# Altium PCB PCB3.PcbDoc (continued)
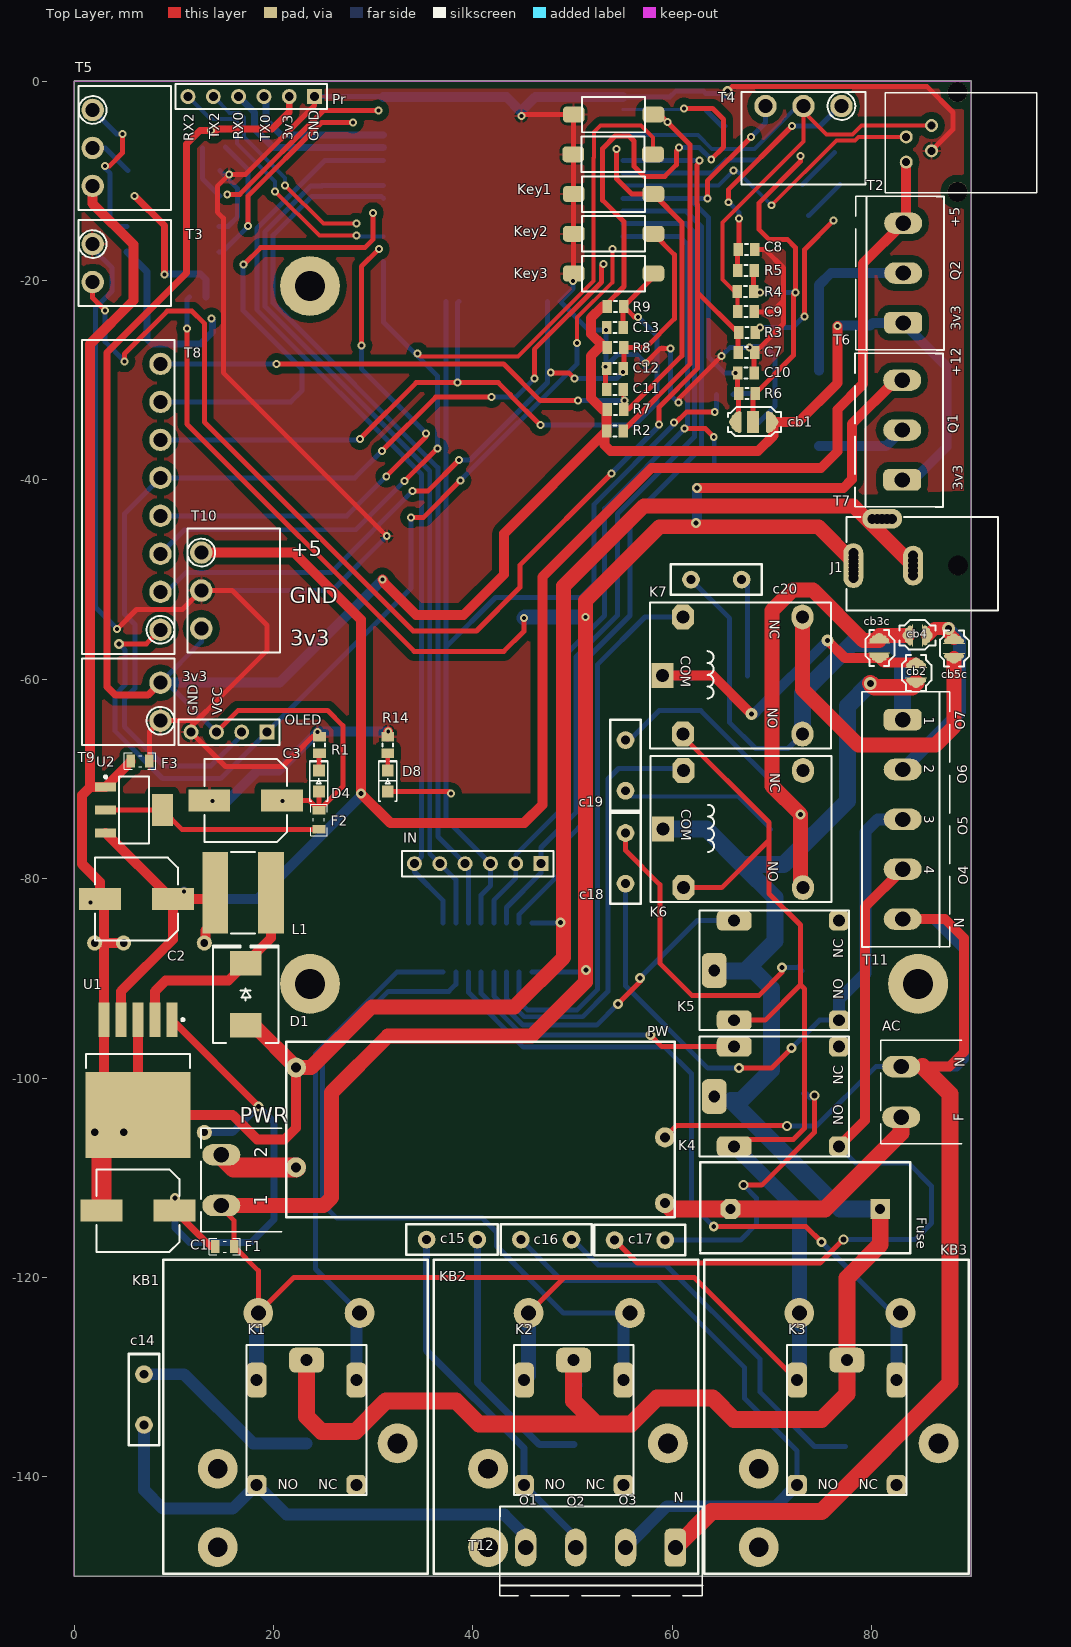
[diagram p0: Top Layer view]
## Footprints (in the part's own frame and the unit in brackets; to place one, negate y for a bottom-side part, rotate by r counter-clockwise, add the part's x,y. Pads: shape width x height; smd on the part's side, far side on the other; paste and mask are expansions set on the pad) (continued)
  oval 2x4.5 hole 1 mask+0.102: 1(14.5,0)
  oval 2x4 hole 1 mask+0.102: 2(8.5,0)
  oval 4x2 hole 1 mask+0.102: 3(11.6,-4.7)
  round 1.9 hole 2 mask+0.102: MH(4,0)
  silkscreen extent 0,-4.9 15.2,4.5, body extent 0,-4.9 15.2,4.5, height 11
"Relay milon" [mm] "18.85x15.35x15.70"
  rect 2.5x2.2 hole 1.3 mask+0.102: 1(0,-7.025)
  oval 2.5x2.2 hole 1.3 mask+0.102: 2(-5.875,7.025) 3(5.875,7.025)
  oct 2.5x2.2 hole 1.3 mask+0.102: 4(-5.875,-4.975) 5(5.875,-4.975)
  silkscreen extent -7.32,-8.27 7.32,9.87, body extent -7.37,-8.71 7.63,9.98, height 15.7
"Relay mini milon" [mm]
  rrect50% 3.5x2.5 hole 1.2 mask+0.102: 1(0,6.25)
  rrect50% 2x2 hole 1.2 mask+0.102: 2(5,-6.25) 3(-5,-6.25)
  rrect50% 2x3.5 hole 1.2 mask+0.102: 4(5,4.25) 5(-5,4.25)
  silkscreen extent -6,-7.25 6,7.75, body extent -6.13,-7.58 6.17,8.12, height 13.71
Relay-NT90 [mm]
  round 4 hole 2 unplated mask+0.102: 1(0,0) 2(18.034,10.414) 3(18.034,2.54)
  round 3 hole 1.5 mask+0.102: 4(3.81,-13.081) 5(13.97,-13.081)
  silkscreen extent -3.05,-18.42 23.5,13.08
"RES 0805 (2012X06L)"#1 [mm] "Chip Resistor, 2-Leads, Body 2.0x1.3mm, IPC High Density _ (0.100 W)"
  rect 0.95x1.3 smd: 1(0,0) 2(1.65,0)
  silkscreen extent 0.67,-0.55 0.97,0.55, body extent -0.19,-0.63 1.84,0.64, height 0.6
"RES 0805 (2012X06L)"#2 [mm] "Chip Resistor, 2-Leads, Body 2.0x1.3mm, IPC High Density _ (0.100 W)"
  rect 0.95x1.3 smd mask+0.102: 1(0,0) 2(1.65,0)
  silkscreen extent 0.67,-0.55 0.97,0.55, body extent -0.19,-0.63 1.84,0.64, height 0.6
"RES 2512 (6331X07L)" [mm] "Chip Resistor, 2-Leads, Body 6.3x3.1mm, IPC High Density _ (0.500 W)"
  rect 1.1x3.2 smd mask+0.102: 1(-2.85,0) 2(2.85,0)
  silkscreen extent -1.9,-1.5 1.9,1.5, body extent -3.18,-1.52 3.17,1.52, height 0.6
RJ10 [mm]
  round 1.308 hole 0.8 mask+0.102: 1(-0.445,-1.27) 2(2.095,-0.127) 3(-0.445,1.27) 4(2.095,2.413)
  round 2 hole 2 unplated mask+0.102: ""(4.699,-4.238) ""(4.699,5.762)
  silkscreen extent -2.54,-4.32 12.64,5.71
SMD_CAP_0805#1 [mm]
  rect 0.95x1.3 smd: 1(0,0) 2(1.65,0)
  silkscreen extent 0.67,-0.55 0.97,0.55, body extent -0.19,-0.64 1.84,0.64, height 0.65
SMD_CAP_0805#2 [mm]
  rect 0.95x1.3 smd mask+0.102: 1(0,0) 2(1.65,0)
  silkscreen extent 0.67,-0.55 0.97,0.55, body extent -0.19,-0.64 1.84,0.63, height 0.65
"SMT Gullwing Lead-Form"#1 [mm] "SOP, 4-Leads, Body 4/65x6/75mm, Pitch 2/54mm, IPC Medium Density designer:abbas basereh"
  rrect50% 2.2x1.6 smd mask+0.102: 1(-4.6,1.27) 2(-4.6,-1.27) 3(4.6,-1.27) 4(4.6,1.27)
  silkscreen extent -4.72,-2.5 3.1,2.74, body extent -5,-2.29 5,2.29, height 3.89
"SMT Gullwing Lead-Form"#2 [mm] "SOP, 4-Leads, Body 4/65x6/75mm, Pitch 2/54mm, IPC Medium Density designer:abbas basereh"
  rrect50% 2.2x1.6 smd mask+0.06: 1(-4.6,1.27) 2(-4.6,-1.27) 3(4.6,-1.27) 4(4.6,1.27)
  silkscreen extent -4.72,-2.5 3.1,2.74, body extent -5,-2.29 5,2.29, height 3.89
SO16_M [mm] "16-Pin Small Outline Integrated Circuit 1.27 mm Pitch, IPC Low Density - DESIGNER ABBAS BASEREH"
  oval 2.5x0.7 smd: 1(2.45,-4.445) 2(2.45,-3.175) 3(2.45,-1.905) 4(2.45,-0.635) 5(2.45,0.635) 6(2.45,1.905) 7(2.45,3.175) 8(2.45,4.445) 9(-2.45,4.445) 10(-2.45,3.175) 11(-2.45,1.905) 12(-2.45,0.635) 13(-2.45,-0.635) 14(-2.45,-1.905) 15(-2.45,-3.175) 16(-2.45,-4.445)
  silkscreen extent -0.8,-5.47 2.57,5, body extent -3,-4.96 3,4.97, height 1.62
"SOD-80 MiniMELF" [mm] "Molded Diode, 2-Leads, Body 3.40x1.50mm, IPC Medium Density"
  rect 1.25x2 smd mask+0.102: 1(-1.875,0) 2(1.875,0)
  silkscreen extent -2.8,-1.3 2.99,1.3, body extent -1.7,-0.75 1.7,0.75, height 1.5
SOT223-AMS1117 [mm] "SOT223, 4-Leads, Body 6.5x3.5mm, Pitch 2.3mm, Lead Span 7mm, IPC High Density"
  rect 2.1x0.9 smd: 1(-2.85,2.3) 2(-2.85,0) 3(-2.85,-2.3)
  rect 2.1x3.2 smd: 4(2.85,0)
  silkscreen extent -2.97,-3.35 1.5,3.42, body extent -3.49,-3.24 3.49,3.24, height 1.64
"ST DO214AA SMB" [mm] "Molded Diode, 2-Leads, Body 4.31x3.62mm, IPC Medium Density"
  rect 1.62x2.18 smd: 1(-2.11,0) 2(2.11,0)
  silkscreen extent -3.2,-2.2 3.4,2.1, body extent -2.6,-1.8 2.6,1.8, height 2.4
"TE FSMSMTR" [mm]
  rrect50% 1.6x2.19 smd mask+0.102: 1(0,4) 2(0,-4)
  silkscreen extent -1.78,-3.18 1.78,3.18, body extent -1.75,-4.98 1.75,4.98, height 4.42
TO-252 [mm] "D-PAK/TO-252-AA; 3 Leads (1 Cropped); Body 10.1 (inc. leads) x 6.6 mm (LxW max)"
  rect 1x2.1 smd mask+0.102: 1(2.285,3.375) 3(-2.285,3.375)
  rect 5.4x6.2 smd mask+0.102: 2(0,-3.375)
  silkscreen extent -3.09,-6.38 3.08,4.32, body extent -3.27,-5.83 3.27,4.11, height 2.39
TS5B_M [mm] "D2-PAK, 6-Leads, Body 8.6x10.2mm, Pitch 1.7mm, Lead Span 14.1mm, IPC Low Density"
  rect 3.5x1.1 smd mask+0.102: 1(-6.05,3.4) 2(-6.05,1.7) 3(-6.05,0) 4(-6.05,-1.7) 5(-6.05,-3.4)
  rect 8.6x10.5 smd mask+0.102: 6(3.5,0)
  silkscreen extent -6.17,-5.2 -1.2,5.2, body extent -2.6,-5.2 6.29,5.2, height 4.65

## Part data
AC PWR: library part CON_Phoenix_MSTB_02, "2 Pitch: 5.08 mm Color: green Contact surface: Tin Assembly", Manufacturer="PHOENIX CONTACT", Max Current="12 A", Voltage="320 V", Category=Connector, ComponentLink1Description="Header, Nominal current: 12 A Rated voltage (III/2): 320 V Number of positions: 2 Pitch: 5.08 mm Color: green Contact surface: Tin Assembly: Soldering  DESIGNER:ABBAS BASEREH", ComponentLink2Description=Reference, Connector type="PCB Terminal Block", Designer="ABBAS BASEREH", Mounting Technology=Through-Hole, PART.NO=PHOENIX, Pin Count=2, Positions=2, Revision 1=2017-3-1, Status=Unreleased
C1 C2 C3 C6: library part "Cap Polar", "Cap Polar"
C4 C5 C7 C8 C9 C10 C11 C12 C13 c14 c15 c16 c17 c18 c19 c20: library part Cap-Bipolar, "Bipolar Capacitor", Voltage=100V, Adding Date=1387/12/20, Designer="Saeid Jorablo", Organazation=ControTec
cb1: library part "Coffe Bean 2", "Coffe Bean 2w"
cb2 cb3c cb4 cb5c: library part "Coffe Bean", "Coffe Bean"
D1 D5 D6 D7: library part Diode, "Rectifier Diode"
D2 D3: library part "Diode TVS", "Zener Diode"
D4 D8: library part LED, "Chip LED"
F1 F2 F3: library part "Ferrite Bead SMD Package", Designer="Ali Hafizi"
FLASH Key1 Key2 Key3 RST: "Push Button Switch"
Fuse: library part "Fuse 5x20 with holdeer pins", "Fuses 5x20", Data=28-12-2016, Desc.="fuse with holder pins 5x20", Designer="Abbas Basereh"
IN Pr: "Header, 6-Pin", LatestRevisionDate=17-Jul-2002, LatestRevisionNote="Re-released for DXP Platform.", Publisher="Altium Limited"
K1 K2 K3 K4 K5 K6 K7 KB1 KB2 KB3: "SPDT Relay", Company=E.P.I.L, Design_Date=2011/10/31, Designer="Eng. Saeid Jorablo"
L1: library part "Inductor smd", "SMD Power Inductor WE-LHMI, L=6.8 µH", Inductance="6.8 µH", PartNumber=74437324068, ComponentLink1Description="Manufacturer URL", ComponentLink1URL=http://www.we-online.com, ComponentLink2Description=Datasheet, ComponentLink2URL=http://katalog.we-online.de/kataloge/eisos/media/pdf/74437324068.pdf, PackageReference="WE-LHMI 4020"
OLED: "Header, 4-Pin", LatestRevisionDate=17-Jul-2002, LatestRevisionNote="Re-released for DXP Platform.", Publisher="Altium Limited"
PW: "x.x Volt, 800mA Low-Dropout Linear Regulator, 4-pin SOT-223", Manufacturer="National Semiconductor", PackageTopMarking=XYTT*N05B, PartNumber=LM1117IMP-3.3, PowerWise=N, Supplier Part Number 1=7614123, Code_IPC=SOT223-4, Code_JEDEC=TO-261-AA, ComponentLink1Description="LM1117 Datasheet", ComponentLink1URL=http://www.national.com/ds/LM/LM1117.pdf, ComponentLink2Description="LM1117 Web Page", ComponentLink2URL=http://www.national.com/pf/LM/LM1117.html, ComponentLink3Description="MP04A Package Page", ComponentLink3URL=http://www.national.com/packaging/folders/mp04a.html, CompType="LDO IC", DatasheetVersion=Apr-2006, PackageDescription="Molded SOT-223, 6.50 x 3.56 x 1.6mm Body, 4 Lead, 2.3mm Pitch", PackageReference=MP04A, PackageVersion="revB, Apr-2003", PinCount=4, Published=4-Dec-2008, Publisher="Altium Limited", RoHS=N, Supplier 1=Farnell
Q1 Q2: library part NPN, "NPN Transistor", Company="IPA CO", Designer="Saeid Jorablo", Last Update Time=2008/08/04
R1 R2 R3 R4 R5 R6 R7 R8 R9 R10 R11 R12 R13 R14 R15 R16 R17 R18 R19 R20 R21 R22 R23: library part Resistor, "Resistor"
T2: "6 Position 1 Port Right Angle RJ11 Low Profile Filtered EMI/RFI Modular Jack", Package=None, Availability=Unavailable, MF="TE Connectivity", MP=RJ11-6N-B, Price=None, SnapEDA_Link=https://www.snapeda.com/parts/RJ11-6N-B/TE%20Connectivity%20Corcom%20Filters/view-part/2771781/?ref=snap, TE_purchase_URL=https://www.te.com/usa-en/product-6609212-4.html?te_bu=Cor&te_type=disp&te_campaign=seda_glo_cor-seda-global-disp-prtnr-fy19-seda-model-bom-cta_sma-317_1&elqCampaignId=32493
T3 T4 T5 T10: "6 Pitch: 5.08 mm Color: green Contact surface: Tin Assembly", Manufacturer="PHOENIX CONTACT", Max Current="12 A", Voltage="320 V", Category=Connector, ComponentLink1Description="Header, Nominal current: 12 A Rated voltage (III/2): 320 V Number of positions: 6 Pitch: 5.08 mm Color: green Contact surface: Tin Assembly: Soldering  DESIGNER:ABBAS BASEREH", ComponentLink2Description=Reference, Connector type="PCB Terminal Block", Designer="ABBAS BASEREH", Mounting Technology=Through-Hole, PART.NO=PHOENIX, Pin Count=6, Positions=6, Revision 1=2017-3-1, Status=Unreleased
T6 T7: library part FCI-381-3P, "6 Pitch: 5.08 mm Color: green Contact surface: Tin Assembly", Manufacturer="PHOENIX CONTACT", Max Current="12 A", Voltage="320 V", Category=Connector, ComponentLink1Description="Header, Nominal current: 12 A Rated voltage (III/2): 320 V Number of positions: 6 Pitch: 5.08 mm Color: green Contact surface: Tin Assembly: Soldering  DESIGNER:ABBAS BASEREH", ComponentLink2Description=Reference, Connector type="PCB Terminal Block", Designer="ABBAS BASEREH", Mounting Technology=Through-Hole, PART.NO=PHOENIX, Pin Count=6, Positions=6, Revision 1=2017-3-1, Status=Unreleased
T8: library part FCI-381-8P, "6 Pitch: 5.08 mm Color: green Contact surface: Tin Assembly", Manufacturer="PHOENIX CONTACT", Max Current="12 A", Voltage="320 V", Category=Connector, ComponentLink1Description="Header, Nominal current: 12 A Rated voltage (III/2): 320 V Number of positions: 6 Pitch: 5.08 mm Color: green Contact surface: Tin Assembly: Soldering  DESIGNER:ABBAS BASEREH", ComponentLink2Description=Reference, Connector type="PCB Terminal Block", Designer="ABBAS BASEREH", Mounting Technology=Through-Hole, PART.NO=PHOENIX, Pin Count=6, Positions=6, Revision 1=2017-3-1, Status=Unreleased
T9: library part FCI-381-2P, "6 Pitch: 5.08 mm Color: green Contact surface: Tin Assembly", Manufacturer="PHOENIX CONTACT", Max Current="12 A", Voltage="320 V", Category=Connector, ComponentLink1Description="Header, Nominal current: 12 A Rated voltage (III/2): 320 V Number of positions: 6 Pitch: 5.08 mm Color: green Contact surface: Tin Assembly: Soldering  DESIGNER:ABBAS BASEREH", ComponentLink2Description=Reference, Connector type="PCB Terminal Block", Designer="ABBAS BASEREH", Mounting Technology=Through-Hole, PART.NO=PHOENIX, Pin Count=6, Positions=6, Revision 1=2017-3-1, Status=Unreleased
T11: "5 Pitch: 5 mm Color: green Contact surface: Tin Assembly", Manufacturer="PHOENIX CONTACT", Max Current="12 A", Voltage="320 V", Category=Connector, ComponentLink1Description="Header, Nominal current: 12 A Rated voltage (III/2): 320 V Number of positions: 5 Pitch: 5 mm Color: green Contact surface: Tin Assembly: Soldering  DESIGNER:ABBAS BASEREH", ComponentLink2Description=Reference, Connector type="PCB Terminal Block", Designer="ABBAS BASEREH", Mounting Technology=Through-Hole, PART.NO=PHOENIX, Pin Count=5, Positions=5, Revision 1=2017-3-1, Status=Unreleased
T12: "4 Pitch: 5 mm Color: green Contact surface: Tin Assembly", Manufacturer="PHOENIX CONTACT", Max Current="12 A", Voltage="320 V", Category=Connector, ComponentLink1Description="Header, Nominal current: 12 A Rated voltage (III/2): 320 V Number of positions: 4 Pitch: 5 mm Color: green Contact surface: Tin Assembly: Soldering  DESIGNER:ABBAS BASEREH", ComponentLink2Description=Reference, Connector type="PCB Terminal Block", Designer="ABBAS BASEREH", Mounting Technology=Through-Hole, PART.NO=PHOENIX, Pin Count=4, Positions=4, Revision 1=2017-3-1, Status=Unreleased
U1: "SIMPLE SWITCHER® Power Converter 150 KHz 3A Step-Down Voltage Regulator, 5-pin TO-263", Manufacturer="National Semiconductor", PackageTopMarking="NSUZXYTTE#*LM2596S*-ADJ P+", PowerWise=N, Code_JEDEC=MO-169-AB, ComponentLink1Description="Manufacturer URL", ComponentLink1URL=http://www.national.com/, ComponentLink2Description="LM2596 Datasheet", ComponentLink2URL=http://www.national.com/ds/LM/LM2596.pdf, ComponentLink3Description="LM2596 Web Page", ComponentLink3URL=http://www.national.com/pf/LM/LM2596.html, ComponentLink4Description="TS5B Package Page", ComponentLink4URL=http://www.national.com/packaging/folders/ts5b.html, CompType=Switcher, DatasheetVersion=May-2002, High-Reliability=Y, PackageDescription="TO-263, Molded, .400 x .390 x .180in, 5 Lead, .067in Pitch, Surface Mount", PackageReference=TS5B, PackageVersion="revD, Apr-2005", PartNumber=LM2596S-ADJ, PinCount=5, RoHS=N
U2: library part AMS1117IMP-x.x_1, "x.x Volt, 800mA Low-Dropout Linear Regulator, 4-pin SOT-223", Manufacturer="National Semiconductor", PackageTopMarking=XYTT*N05B, PartNumber=LM1117IMP-3.3, PowerWise=N, Supplier Part Number 1=7614123, Code_IPC=SOT223-4, Code_JEDEC=TO-261-AA, ComponentLink1Description="LM1117 Datasheet", ComponentLink1URL=http://www.national.com/ds/LM/LM1117.pdf, ComponentLink2Description="LM1117 Web Page", ComponentLink2URL=http://www.national.com/pf/LM/LM1117.html, ComponentLink3Description="MP04A Package Page", ComponentLink3URL=http://www.national.com/packaging/folders/mp04a.html, CompType="LDO IC", DatasheetVersion=Apr-2006, PackageDescription="Molded SOT-223, 6.50 x 3.56 x 1.6mm Body, 4 Lead, 2.3mm Pitch", PackageReference=MP04A, PackageVersion="revB, Apr-2003", PinCount=4, Published=4-Dec-2008, Publisher="Altium Limited", RoHS=N, Supplier 1=Farnell
U3: "IC: SoC; GPIO, I2C, I2S, IR, SD, SDIO, SPI, UART; 2.7Ã·3.6VDC; 20dBm", Package="Module Espressif Systems", Availability=Unavailable, MF="Espressif Systems", MP=ESP32-WROOM-32D, Price=None, SnapEDA_Link=https://www.snapeda.com/parts/ESP32-WROOM-32D/Espressif%20Systems/view-part/?ref=snap
u4: "SEVEN DARLINGTON ARRAYS", ComponentLink1Description=Datasheet, ComponentLink2URL=http://www.st.com, DatasheetVersion="STMicroelectronics GROUP OF COMPANIES", PackageDescription="16-Pin Small Outline Integrated Circuit 1.27 mm Pitch, IPC High Density", PackageReference=SO16_N, PackageVersion=2017-3-2, Published=2017-3-2, Publisher="Abbas Basereh", Supplier 1=Digi-Key, Supplier 2=Mouser, Supplier Part Number 1=ULN2003A, Supplier Part Number 2=ULN2003A
u5 u6: library part Optoisolator
J1: Adding Date=10/21/2009, Company=Personal, Designer="Saeid Jorablo", Project Name=Laser

## Free pads (board coordinates)
  round 1.524 hole 0.762 mask+0.102: 7(2.05,-105.45) 7(2.05,-86.45) 7(4.95,-105.45) 7(4.95,-86.45) 8(13.05,-86.45) 9(13.05,-105.45)
  round 6 hole 3 mask+0.102: 19(23.65,-90.55) 19(23.65,-20.55) 19(84.65,-90.55)

## Via types
v1: diameter 0.8, hole 0.4, Top Layer to Bottom Layer, tented both sides, 95 vias
v2: diameter 1, hole 0.5, Top Layer to Bottom Layer, tented both sides, 18 vias
v3: diameter 1, hole 0.6, Top Layer to Bottom Layer, tented both sides, 4 vias
v4: diameter 1.2, hole 0.5, Top Layer to Bottom Layer, tented both sides, 2 vias
v5: diameter 1.3, hole 0.7, Top Layer to Bottom Layer, tented both sides, 2 vias

## Nets (pads, with @x,y where several pads share a name; then routed paths per layer and width w, separated by ;. In a path a pad name is that pad's centre, name@x,y a point inside that pad or via, vN(x,y) a via of type N, cw(c..) or ccw(c..) an arc to the next point about the centre after c; other vN are vias at no path point)
+5: C2.1 D2.2 L1.2 pad.8 T2.1 T6.3 T10.1 U1.4 U2.3 | length 205.8
  Top Layer w1: U2.3 9.8,-82.05 C2.1 ; U1.4 4.7,-91.3 9.9,-86.1 C2.1 ; T10.1 22.04,-47.29 28.75,-54 v2(28.75,-71.45) 31.7,-74.4 45.15,-74.4 46.95,-72.6 46.95,-49.75 57.9,-38.8 74.9,-38.8 76.55,-37.15 76.55,-32.95 79.1,-30.4 79.1,-18.3 T6.3 83.457,-13.943 T2.1 ; pad.8 13.15,-86.35 13.15,-85.2 14.15,-84.2 L1.2 13.5,-82.05 C2.1
  Bottom Layer w1: D2.2 10.25,-82.05 ; v1(11,-81.3) 10.25,-82.05 ; v2(28.75,-71.45) 28.75,-71.7 18.4,-82.05 10.25,-82.05
+12: F1.1 J1.1 K1.5 K2.5 K3.5 K4.5 K5.5 K6.5 K7.5 KB1.5 KB2.5 KB3.5 PWR.1 R10.2 R11.2 T7.3 u4.9 | length 411.8
  Top Layer w0.5: v1(11.3,-24.8) 11.3,-34.4 34.1,-57.2 43.1,-57.2 45.1,-55.2 v1(45.1,-53.85) ; PWR.1 14.75,-113 16.05,-114.3 F1.1 18.464,-119.314 KB1.5 22.033,-120 49.149,-120 ; KB2.5 49.149,-120 ; K7.5 61.05,-65.7 69.7,-74.35 69.7,-76.15 ; K6.5 64.95,-80.9 69.7,-76.15 ; K4.5 66.9,-106.15 72.15,-106.15 73.25,-105.05 73.25,-91.05 72.85,-90.65 ; K5.5 69.3,-94.2 72.85,-90.65 ; K3.5 62.2,-120 49.149,-120 ; 69.7,-76.15 69.7,-81.5 72.85,-84.65 72.85,-90.65
  Top Layer w1: v2(62.45,-40.8) 77.15,-40.8 78,-39.95 78,-34.4 82.4,-30 T7.3
  Top Layer w1.5: PWR.1 25.02,-112.78 25.8,-112 25.8,-101.45 31.45,-95.8 45.85,-95.8 51.3,-90.35 v1(51.3,-53.75) 51.3,-52.1 58.7,-44.7 74.65,-44.7 J1.1@78.15,-48.2
  Bottom Layer w0.5: v1(11.3,-24.8) 11.3,-21.9 R10.2 ; u4.9 51.15,-89.35 v2(51.35,-89.15)
  Bottom Layer w1: v2(62.35,-44.3) 62.45,-44.2 v2(62.45,-40.8)
  Bottom Layer w1.5: K1.5 18.3,-123.733 KB1.5 ; K2.5 45.58,-129.82 KB2.5 ; v1(45.1,-53.85) 45.2,-53.75 v1(51.3,-53.75) ; K4.5 72.73,-113.38 KB3.5 72.73,-130.07 K3.5
+12D: C1.1 F1.2 pad.9 U1.1 | length 50.9
  Top Layer w0.7: U1.1 v2(18.5,-102.85) ; C1.1 13.65,-116.9 F1.2
  Bottom Layer w0.7: v2(10.1,-112.05) 10.1,-115.05 11.55,-116.5 17.75,-116.5 20.05,-114.2 20.05,-104.4 v2(18.5,-102.85) 15.9,-105.45 pad.9
A-VCC: F2.2 U2.2 U2.4 | length 22.2
  Top Layer w0.5: U2.2 U2.4 10.8,-75.05 F2.2
adc1: C9.1 R4.1 T2.4 T4.2 U3.4 | length 59.9
  Top Layer w0.4: C9.1 66.55,-21.132 66.282,-21.132 65.05,-19.9 65.05,-14.169 73.15,-6.069 T4.2@73.15,-3.05 ; T4.2@73.1,-2.498 T4.2@73.1,-1.948 ; T4.2 T4.2@73.15,-3.05 ; T2.4 78.951,-4.449 78.05,-5.35 75.45,-5.35 T4.2@73.15,-3.05
  Bottom Layer w0.4: U3.4 62.56,-5.41 63.95,-6.8 68.25,-6.8 72.552,-2.498 T4.2
adc2: C8.2 R5.1 T4.1 U3.7 | length 42.4
  Top Layer w0.5: v1(65.65,-12.15) 65.65,-10.85 v1(72,-4.5) ; R5.1 66.55,-16.95 C8.2 66.7,-16.8 v1(66.7,-13.8)
  Bottom Layer w0.5: U3.7 64.08,-9.22 65.4,-7.9 68.6,-7.9 v1(72,-4.5) 74.8,-4.5 76.802,-2.498 T4.1 ; v1(65.65,-12.15) 66.7,-13.2 v1(66.7,-13.8)
aref: C10.1 cb1.2 R6.1 T4.3 U3.9 | length 45.8
  Top Layer w0.5: v1(63.5,-11.75) 63.5,-10 v1(67.9,-5.6) ; cb1.2@66.195,-34.2 66.65,-33.745 R6.1 66.55,-31.25 C10.1
  Bottom Layer w0.5: U3.9 61.7,-11.76 ; v1(63.5,-11.75) 63.7,-11.75 63.71,-11.76 61.7,-11.76 ; v1(66.35,-29.3) 65.25,-29.3 63.6,-27.65 63.6,-13.66 61.7,-11.76 ; v1(67.9,-5.6) 69.34,-4.16 T4.3
cb2: cb2.2 cb3c.1 K7.1 R23.1 | length 33.9
  Top Layer w1: K7.1 64.075,-59.625 v4(67.95,-63.5) ; v4(75.55,-56.1) 77.332,-57.882 80.75,-57.882 81.202,-58.334 cb2.2@84.45,-58.334
  Bottom Layer w1: K7.1 61.825,-59.625 R23.1 ; v4(67.95,-63.5) 68.2,-63.5 68.5,-63.2 68.5,-63.15 v4(75.55,-56.1)
com: cb2.1 Fuse.2 K1.1 K2.1 K3.1 K4.1 K5.1 K6.1 R17.1 R18.1 R19.1 R20.1 R21.1 R22.1 | length 192.3
  Top Layer w1.7: K1.1 23.3,-133.95 24.8,-135.45 28.2,-135.45 31.25,-132.4 38.3,-132.4 40.6,-134.7 52.4,-134.7 ; K2.1 50.1,-132.4 52.4,-134.7 ; v5(79.85,-60.4) 80.25,-60.8 84.016,-60.8 cb2.1@84.45,-60.366 ; Fuse.2 80.85,-116.7 77.5,-120.05 K3.1 77.5,-131.7 74.95,-134.25 66.2,-134.25 64.05,-132.1 58.45,-132.1 55.85,-134.7 52.4,-134.7
  Bottom Layer w1.7: 23.3,-130.1 K1.1 ; K2.1 50.1,-130.75 R18.1@50.15,-130.8 ; K6.1 63.425,-75.025 67,-78.6 ; K5.1 64.25,-89.25 R21.1 ; 77.5,-130.2 K3.1 ; v5(79.85,-60.4) 77.55,-62.7 77.55,-72.2 71.15,-78.6 67,-78.6 ; Fuse.2 76.8,-113.15 65.9,-102.25 66.9,-102.25 69.95,-99.2 69.95,-91 68.2,-89.25 R21.1 ; 67,-78.6 70.3,-81.9 70.3,-86.25 R21.1
dht: T2.3 U3.8 | length 33.4
  Top Layer w0.4: v1(69.95,-12.45) 76.45,-5.95 78.299,-5.95 78.657,-5.592 T2.3
  Bottom Layer w0.4: U3.8 64.61,-10.49 v1(66.15,-8.95) 66.45,-8.95 v1(69.95,-12.45)
GND: C3.2 C4.1 C5.1 C6.2 C7.1 C8.1 C9.2 C10.2 C11.2 C12.1 C13.1 D3.1 F3.1 FLASH.2 Key1.1 Key2.2 Key3.2 OLED.4 Pr.1 Q1.3 Q2.3 R1.2 R14.2 RST.1 T2.2 T3.1 T9.1 T10.2 U3.1 U3.15 U3.38 U3.39 u5.3 u6.3 | length 368.8
  Top Layer w0.5: v1(4.3,-54.95) 6.25,-53 10.848,-53 T10.2 15.85,-51.1 19.35,-54.6 19.35,-57.1 14.95,-61.5 ; F3.1 7.55,-65.257 T9.1 12.295,-64.155 14.95,-61.5 ; Pr.1 24.11,-2.44 17.2,-9.35 v1(15.55,-9.35) 14.35,-10.55 14.35,-13.15 14.95,-13.75 14.95,-29.25 v1(31.35,-45.65) ; R1.2@24.4,-65.75 23.9,-65.75 20.9,-68.75 15.17,-68.75 OLED.4 11.72,-64.73 14.95,-61.5 ; v1(44.85,-3.5) 45,-3.35 RST.1 Key1.1 Key2.2 Key3.2 50.1,-20 v1(50.05,-20.05) ; v1(53.3,-28.65) 53.3,-30.815 C11.2 ; v1(57.3,-28.3) 58.8,-26.8 v1(59.8,-26.8) ; v1(60.6,-32.25) 60.65,-32.2 60.65,-31.85 v1(64.95,-27.55) ; v2(65.55,-1) 66,-0.55 85.55,-0.55 88.15,-3.15 88.15,-4.836 T2.2 ; v1(67.75,-26.7) 67.75,-26.733 C7.1 ; C9.2 68.25,-23.15 70.05,-23.15 71.15,-22.05 ; C10.2@68.25,-29.25 C10.2 68.2,-27.283 C7.1 ; C8.1 69.3,-16.9 71.15,-18.75 71.15,-22.05 ; C7.1 71.15,-24.333 71.15,-22.05
  Top Layer w1: R14.2 31.45,-65.3 v1(31.5,-65.25)
  Bottom Layer w0.5: T3.1 1.848,-16.798 3.8,-18.75 3.8,-21.05 2.15,-22.7 2.15,-52.8 v1(4.3,-54.95) ; T10.2 25.9,-51.1 v1(31.35,-45.65) ; u6.3 15.42,-14.58 16.4,-13.6 16.4,-10.78 u5.3@15.26,-9.64 ; u5.3 14.97,-9.35 v1(15.55,-9.35) ; Pr.1 30.972,-1.55 U3.38 ; v1(50.05,-20.05) 50.05,-20.797 U3.15 51.577,-24.95 v1(53.35,-24.95) v1@53.35,-28.6 ; v1(53.3,-28.65) v1@53.35,-28.6 ; U3.1 59.75,-1.6 60.35,-1 63.1,-1 C5.1 64.85,-1.25 C6.2 ; 57.3,-28.75 v1(57.3,-28.3) 56.4,-27.4 54.55,-27.4 v1@53.35,-28.6 ; v1(59.8,-26.8) 59.8,-31.45 v1(60.6,-32.25) ; v1(64.95,-27.55) 65.8,-26.7 v1(67.75,-26.7) 67.85,-26.6 69.3,-26.6 70.3,-27.6 70.3,-32.6 68.585,-34.315 Q2.3
  Bottom Layer w1: v1(13.85,-72.2) 15.05,-72.2 D3.1 18.4,-69.15 20.55,-69.15 v1(24.4,-65.3) 24.45,-65.25 v1(31.5,-65.25) ; U3.38 43.35,-1.6 U3.39 46.25,-1.6 U3.1
GND-A: C1.2 C2.2 D1.1 D2.1 F3.2 J1.2 J1.3 pad.7 PW.- T5.3 U1.3 U1.5 U1.6 U2.1 u4.8 | length 273.3
  Top Layer w1: T5.3 1.848,-12.298 5.95,-16.4 5.95,-22 1.6,-26.35 1.6,-70.8 ; pad.7@2.05,-86.45 3,-86.45 ; pad.7@4.95,-86.45 3,-86.45 ; F3.2 5.65,-68.3 U2.1 1.6,-70.8 ; U1.3 U1.6 ; PW.- 22.25,-105 21.1,-106.15 18.35,-106.15 15.9,-103.7 U1.6 ; 1.6,-70.8 0.8,-71.6 0.8,-78.55 2.6,-80.35 C2.2 3,-82.45 3,-86.45 ; 3,-86.45 U1.5 3,-100.3 U1.6
  Top Layer w1.5: D1.1 18,-94.7 PW.- 23.75,-98.95 29.85,-92.85 44.15,-92.85 49.1,-87.9 49.1,-50.65 57.15,-42.6 78.15,-42.6 J1.2@84.15,-48.6
  Top Layer w2: C1.2 2.75,-107.35 U1.6
  Bottom Layer w0.5: u4.8 48.75,-84.45 v2(48.8,-84.4)
  Bottom Layer w1: v1(1.65,-82.4) 2,-82.05 D2.1
HL: R13.1 U3.36 u6.4 | length 29.5
  Top Layer w0.5: v1(17.45,-14.55) 17.45,-11.5 24.8,-4.15 v1(27.95,-4.15)
  Bottom Layer w0.5: u6.4 14.88,-17.12 v1(17.45,-14.55) 17.45,-8.9 R13.1
K1: IN.6 U3.33 u4.1 | length 93.5
  Bottom Layer w0.5: U3.33 25.15,-7.95 18.324,-14.776 18.324,-22.924 34.85,-39.45 34.85,-77.78 IN.6 34.13,-79.33 37.005,-82.205 u4.1
K2: IN.5 U3.31 u4.2 | length 91.1
  Bottom Layer w0.5: U3.31 24.86,-10.49 24.85,-10.5 23.75,-10.5 19.137,-15.113 19.137,-22.587 35.663,-39.113 35.663,-77.493 IN.5 38.275,-80.105 u4.2
K3: IN.4 U3.30 u4.3 | length 89.9
  Bottom Layer w0.5: U3.30 30.812,-11.55 23.85,-11.55 19.95,-15.45 19.95,-22.25 36.476,-38.776 36.476,-75.766 IN.4 39.545,-78.835 u4.3
K4: D8.1 IN.3 R15.1 U3.24 u4.4 | length 114.3
  Top Layer w0.5: D8.1 37.6,-71.25 v1(37.8,-71.45) ; v1(60.15,-34.25) 60.35,-34.25 61.4,-33.2 v1(64.25,-33.2)
  Bottom Layer w0.5: U3.24 37.307,-56.75 ; u4.4 40.815,-81.635 41.75,-80.7 IN.3 37.307,-74.057 37.307,-56.75 ; v1(60.15,-34.25) 60.15,-34.45 52.15,-42.45 52.15,-50.45 50.8,-51.8 42.257,-51.8 37.307,-56.75 ; v1(64.25,-33.2) 64.45,-33 R15.1
K5: IN.2 R16.1 U3.12 u4.5 | length 89.4
  Top Layer w0.5: v1(61.2,-34.85) 63.3,-34.85 v1(64.15,-35.7)
  Bottom Layer w0.5: u4.5 42.085,-82.165 44.29,-79.96 IN.2 44.29,-77.61 49.05,-72.85 49.05,-57.76 53.21,-53.6 53.21,-42.89 61.5,-34.6 61.5,-16.37 60.7,-15.57 U3.12 ; v1(64.15,-35.7) 64.2,-35.75 R16.1
K6: IN.1 U3.11 u4.6 | length 84.6
  Bottom Layer w0.5: u4.6 43.355,-82.895 46.83,-79.42 IN.1 46.83,-76.866 50.32,-73.376 50.32,-57.76 54.48,-53.6 54.48,-43.416 62.2,-35.696 62.2,-15.15 61.35,-14.3 U3.11
K7: U3.10 u4.7 | length 86
  Bottom Layer w0.5: u4.7 44.625,-83.575 49.446,-78.754 49.446,-76.046 51.59,-73.902 51.59,-57.76 55.75,-53.6 55.75,-43.942 62.9,-36.792 62.9,-14.58 61.35,-13.03 U3.10
KEY: PW.+ PWR.2 | length 8
  Top Layer w2: PWR.2 16,-108.95 PW.+
KO1: K1.4 KB1.4 u4.16 | length 50.9
  Bottom Layer w0.5: KB1.4 24.2,-119.145 24.2,-97.55 32.4,-89.35 u4.16
  Bottom Layer w1.2: K1.4 28.3,-123.893 KB1.4
KO2: K2.4 KB2.4 u4.15 | length 75.5
  Bottom Layer w0.5: u4.15 38.275,-90.6 37.575,-91.3 31.5,-91.3 24.9,-97.9 24.9,-112.6 26.35,-114.05 40.95,-114.05 42.35,-115.45 42.35,-116.85 49.069,-123.569 KB2.4
  Bottom Layer w1.2: K2.4 55.1,-124.209 KB2.4
KO3: K3.4 KB3.4 u4.14 | length 73.3
  Top Layer w0.5: v2(64.15,-114.9) 73.4,-114.9 v2(74.95,-116.45)
  Bottom Layer w0.5: u4.14 39.545,-91.395 45.05,-96.9 59.25,-96.9 61.9,-99.55 61.9,-112.65 v2(64.15,-114.9) ; v2(74.95,-116.45) 82.069,-123.569 KB3.4
  Bottom Layer w1.2: K3.4 82.5,-123.959 KB3.4
KO4: K4.4 u4.13 | length 29.8
  Top Layer w0.5: v2(57.8,-95.7) 58.95,-96.85 K4.4
  Bottom Layer w0.5: u4.13 40.815,-91.515 45,-95.7 v2(57.8,-95.7)
KO5: K5.4 u4.12 | length 32.3
  Top Layer w0.5: v2(54.55,-92.55) 56.75,-90.35 v2(56.75,-89.95)
  Bottom Layer w0.5: u4.12 42.085,-91.775 45.01,-94.7 52.4,-94.7 v2(54.55,-92.55) ; v2(56.75,-89.95) 62.5,-84.2 K5.4
KO6: K6.4 u4.11 | length 44.1
  Bottom Layer w0.5: u4.11 43.355,-92.055 45.15,-93.85 51,-93.85 53.55,-91.3 53.55,-70 54.6,-68.95 60.9,-68.95 K6.4
KO7: K7.4 u4.10 | length 55.2
  Bottom Layer w0.5: u4.10 44.625,-92.325 45.45,-93.15 50.45,-93.15 52.5,-91.1 52.5,-58.5 57.25,-53.75 K7.4
L: AC.1 Fuse.1 PW.N | length 28.7
  Top Layer w1.7: PW.N 59.85,-113.15 Fuse.1 75.3,-113.15 82.95,-105.5 AC.1
LL: R12.1 U3.37 u5.4 | length 24.2
  Top Layer w0.5: v1(15.35,-11.35) 16.61,-11.35 25.01,-2.95 v1(30.5,-2.95)
  Bottom Layer w0.5: R12.1 12.85,-9.77 u5.4
MISO: OLED.2 T8.5 U3.14 | length 98.3
  Top Layer w0.5: v1(30.85,-37.1) 36.25,-31.7 v1(41.85,-31.7) ; v1(46.15,-29.85) 46.15,-26.9 52.9,-20.15 52.9,-18.55 v1(53.1,-18.35)
  Bottom Layer w0.5: OLED.2 16.8,-65.6 13.7,-68.7 9,-68.7 5.05,-64.75 5.05,-61.95 6.1,-60.9 6.1,-54.5 5.05,-53.45 5.05,-43.397 T8.5 28.155,-39.795 v1(30.85,-37.1) ; v1(41.85,-31.7) 44.3,-31.7 v1(46.15,-29.85)
MOSI: C12.2 Key2.1 R8.2 T8.2 U3.16 | length 81.6
  Top Layer w0.5: v1(33.95,-41.1) 35.5,-41.1 v1(38.6,-38) ; v1(47.8,-29.25) 47.85,-29.3 49.65,-29.3 v1(50.2,-29.85) ; v1(55.05,-29.2) C12.2 55.123,-28.775 R8.2 57.317,-26.733 60.2,-23.85 60.2,-17.4 58.112,-15.313 Key2.1
  Bottom Layer w0.5: T8.2 9.275,-51.225 11.2,-49.3 25.75,-49.3 v1(33.95,-41.1) ; v1(38.6,-38) 39.7,-38 47.467,-30.233 U3.16 ; v1(50.2,-29.85) 54.4,-29.85 v1(55.05,-29.2)
N: AC.2 PW.L T11.5 T12.1 | length 144.3
  Top Layer w0.5: PW.L 60.45,-104.75 71.45,-104.75 v3(71.5,-104.8)
  Top Layer w1: AC.2 85.1,-98.85 87.8,-98.85 89.25,-97.4 89.25,-85.95 87.35,-84.05 T11.5
  Top Layer w1.7: T12.1 63.9,-143.5 74.95,-143.5 87.85,-130.6 87.85,-101.6 85.1,-98.85
  Bottom Layer w0.5: v3(71.5,-104.8) 74.45,-104.8 80.4,-98.85 AC.2
  Bottom Layer w1: AC.2 88.5,-98.85 89.25,-98.1 89.25,-87.1 86.2,-84.05 T11.5
Netc14_1: c14.1 R17.2 | length 19.2
  Bottom Layer w1.2: c14.1 11.01,-129.71 17.95,-136.65 R17.2
Netc15_1: c15.1 R18.2 | length 26.6
  Bottom Layer w0.7: c15.1 40.43,-130.53 46.65,-136.75 R18.2
Netc16_1: c16.1 R19.2 | length 37.9
  Bottom Layer w0.5: c16.1@49.85,-116.45 50.25,-116.45 52.55,-118.75 59.35,-118.75 68.8,-128.2 68.8,-131.5 74.25,-136.95 R19.2
Netc17_1: c17.1 R20.2 | length 28.7
  Top Layer w0.5: v3(67.15,-110.75) 68.95,-110.75 74.25,-105.45 v3(74.25,-101.75)
  Bottom Layer w0.5: c17.1 66.85,-116.25 68.425,-114.675 68.425,-112.025 v3(67.15,-110.75) v3@67.2,-110.7 ; R20.2 73.4,-101.55 73.85,-102 74.1,-101.75 v3(74.25,-101.75)
Netc18_1: c18.1 R21.2 | length 31.7
  Top Layer w0.5: c18.1 55.3,-77.15 58.75,-80.6 58.75,-88.5 61.95,-91.7 68.7,-91.7 71,-89.4 v2(71,-88.9)
  Bottom Layer w0.5: v2(71,-88.9) 72.55,-88.9 72.6,-88.85 R21.2
Netc19_1: c19.1 R22.2 | length 16.2
  Bottom Layer w0.4: c19.1 55.87,-71.75 66.6,-71.75 R22.2
Netc20_1: c20.1 R23.2 | length 9.9
  Bottom Layer w0.5: c20.1 67.55,-50.6 R23.2
Netcb4_1: cb4.1 cb5c.2 T11.2 | length 20.6
  Top Layer w1.3: cb4.1@85.608,-55.6 86.308,-54.9 v5(87.7,-54.9) 87.7,-55.35 cb5c.2@88.25,-55.9
  Bottom Layer w1.3: T11.2 88.8,-63.35 88.8,-56 v5(87.7,-54.9)
Netcb5c_1: cb5c.1 K7.2 | length 32.4
  Top Layer w1.5: K7.2 73.05,-61 78.65,-66.6 86.4,-66.6 88.25,-64.75 cb5c.1@88.25,-57.932
NetD1_2: D1.2 L1.1 U1.2 | length 21.3
  Top Layer w1: U1.2 8.1,-91.3 9.175,-90.225 15.475,-90.225 D1.2 19.75,-85.95 L1.1
NetD4_2: D4.2 R1.1 | length 1.8
  Top Layer w0.5: D4.2 24.55,-67.45 R1.1
NetD5_2: D5.2 D6.1 | length 4.5
  Bottom Layer w0.5: D6.1 D5.2@76.275,-7.15
NetD6_2: D6.2 D7.1 | length 4.5
  Bottom Layer w0.5: D7.1@73.675,-13.5 D6.2
NetD7_2: D7.2 R3.1 | length 16.4
  Top Layer w0.5: R3.1 68.8,-24.715 v1(68.8,-24.7) ; v1(73.25,-23.6) 73.25,-16.9 v1(76.15,-14)
  Bottom Layer w0.5: v1(68.8,-24.7) 72.1,-24.7 73.2,-23.6 v1(73.25,-23.6)
NetD8_2: D8.2 R14.1 | length 1.7
  Top Layer w0.5: D8.2 R14.1
NetQ1_1: Q1.1 R15.2 | length 1.9
  Bottom Layer w0.5: R15.2 66.215,-31.335 Q1.1
NetQ1_2: Q1.2 T6.2 | length 17.5
  Bottom Layer w1: Q1.2 74.725,-20.425 75.9,-19.25 T6.2
NetQ2_1: Q2.1 R16.2 | length 2.2
  Bottom Layer w0.5: R16.2 65.935,-38.885 Q2.1
NetQ2_2: Q2.2 T7.2 | length 9
  Bottom Layer w1: Q2.2 81.45,-36.6 T7.2
NetR2_1: R2.1 RST.2 U3.3 | length 36.4
  Top Layer w0.5: R2.1 61.75,-28.4 61.75,-6.35 v1(59.5,-4.1) 58.75,-3.35 RST.2
NetR10_1: R10.1 u5.1 | length 15.3
  Top Layer w0.7: v1(6.05,-11.5) 9.05,-14.5 v1(9.05,-19.4)
  Bottom Layer w0.7: v1(9.05,-19.4) 9.1,-19.35 12.65,-19.35 13.2,-19.9 R10.1
NetR11_1: R11.1 u6.1 | length 18.2
  Bottom Layer w0.7: u6.1 7.3,-19.12 7.3,-25.85 7.8,-26.35 12.65,-26.35 13.85,-25.15 13.85,-23.9 v1(13.75,-23.8)
NetT5_1: T5.1 u6.2 | length 15.7
  Top Layer w0.5: v1(3.1,-8.5) 3.55,-8.5 4.85,-7.2 v1(4.85,-5.3)
  Bottom Layer w0.5: T5.1 4.258,-5.3 v1(4.85,-5.3) ; v1(3.1,-8.5) 3.1,-8.75 3.6,-9.25 3.6,-13.7 4.48,-14.58 u6.2
NetT5_2: T5.2 u5.2 | length 4.5
  Bottom Layer w0.5: T5.2 3.12,-6.7 u5.2
No1: c14.2 K1.3 T12.4 | length 49.9
  Bottom Layer w1.2: c14.2 7,-141.3 8.9,-143.2 15.9,-143.2 K1.3 21.3,-143.8 43.15,-143.8 45.3,-145.95 T12.4
No2: c15.2 K2.3 T12.3 | length 37.1
  Bottom Layer w0.7: c15.2 35.35,-127.35 45.1,-137.1 K2.3 50.3,-146 T12.3
No3: c16.2 K3.3 T12.2 | length 61.5
  Bottom Layer w0.5: c16.2 48.925,-120.325 58.525,-120.325 67.25,-129.05 67.25,-132.15 72.5,-137.4 K3.3
  Bottom Layer w1.2: T12.2 59.45,-142.95 70.35,-142.95 K3.3
No4: c17.2 K4.3 T11.4 | length 79.5
  Top Layer w0.5: c17.2 56.5,-118.55 74.8,-118.55 v3(77.15,-116.2)
  Top Layer w1: K4.3 79.3,-104.25 79.3,-82.85 T11.4
  Bottom Layer w0.5: K4.3 78.35,-108.5 83.65,-108.5 86,-110.85 86,-114.55 84.35,-116.2 v3(77.15,-116.2)
No5: c18.2 K5.3 T11.3 | length 61.3
  Top Layer w0.5: v2(66.7,-99) 69.95,-99 v2(71.95,-97)
  Bottom Layer w0.5: c18.2 55.3,-90.75 63.55,-99 v2(66.7,-99) ; v2(71.95,-97) 74.75,-94.2 K5.3
  Bottom Layer w1.2: K5.3 76.7,-92.15 79.35,-89.5 79.35,-75.3 80.6,-74.05 T11.3
No6: c19.2 cb3c.2 cb4.2 K6.3 | length 69.2
  Top Layer w0.5: K6.3@72.85,-80.65 K6.3
  Top Layer w1.5: K6.3@72.85,-80.65 v2(72.85,-73.55) 70,-70.7 70,-53.1 72.05,-51.05 74.1,-51.05 79.154,-56.104 cb3c.2@80.75,-56.104 ; cb3c.2@80.75,-55.85 80.75,-55.6 cb4.2@83.576,-55.6
  Bottom Layer w0.5: c19.2 55.7,-66.1 58.65,-63.15 62.85,-63.15 72.85,-73.15 v2(72.85,-73.55)
No7: c20.2 K7.3 T11.1 | length 48.2
  Bottom Layer w0.5: c20.2 65.75,-53.88 65.75,-64.35 68.35,-66.95 71.6,-66.95 K7.3
  Bottom Layer w1.7: K7.3 73.05,-61.35 78,-56.4 82.1,-56.4 83.1,-57.4 T11.1
NTC: C7.2 R3.2 T3.2 U3.6 | length 138.1
  Top Layer w0.5: T3.2 1.848,-21.748 v1(3.1,-23) ; v1(5.05,-28.1) 5.05,-27.35 9.325,-23.075 11.823,-23.075 13.049,-24.301 13.049,-34.199 34,-55.15 40.35,-55.15 44.7,-50.8 44.7,-48.55 v1(53.9,-39.35) ; v1(58.65,-34.45) 58.65,-32.7 62.5,-28.85 62.5,-21.165 ; v1(62.7,-7.95) 62.7,-8.15 62.45,-8.4 62.45,-12.302 62.5,-12.352 62.5,-21.165 ; C7.2 66.6,-25.265 62.5,-21.165
  Bottom Layer w0.5: v1(3.1,-23) 3.1,-26.15 v1(5.05,-28.1) ; v1(53.9,-39.35) 58.65,-34.6 v1(58.65,-34.45) ; U3.6 v1(62.7,-7.95)
ref: cb1.1 D5.1 R4.2 R5.2 R6.2 | length 38.4
  Top Layer w0.5: cb1.1 68.1,-31.55 R6.2 72.15,-27.5 72.15,-21.35 72.3,-21.2 v1(72.35,-21.2) 72.35,-16.7 71.525,-15.875 69.675,-15.875 68.7,-14.9 68.7,-12.2 72.85,-8.05 v1(72.85,-7.5) ; R4.2 68.15,-19.065 R5.2
  Bottom Layer w0.5: v1(68.8,-21.2) v1(72.35,-21.2)
RX0: Pr.4 U3.34 | length 17.6
  Bottom Layer w0.7: Pr.4 18.1,-3.16 18.1,-4.8 19.98,-6.68 U3.34
RX2: Pr.6 U3.27 | length 27.3
  Top Layer w0.4: v1(20.15,-11.05) 24.6,-15.5 v1(28.3,-15.5)
  Bottom Layer w0.4: Pr.6 13.66,-3.8 16.05,-3.8 16.35,-4.1 16.35,-6.25 20.15,-10.05 v1(20.15,-11.05) ; v1(28.3,-15.5) 28.37,-15.57 U3.27
SPI-CLK: OLED.1 T8.1 U3.13 | length 96.5
  Top Layer w0.4: v1(50.45,-26.25) 50.45,-23.7 53.975,-20.175 v1(53.975,-16.825)
  Top Layer w0.5: v2(4.5,-56.45) 7.237,-56.45 T8.1 ; v1(33.8,-43.75) 35.05,-43.75 v1(38.75,-40.05)
  Bottom Layer w0.5: v2@4.75,-56.7 5.1,-57.05 5.1,-60.55 4.1,-61.55 4.1,-65.2 8.85,-69.95 14.69,-69.95 OLED.1 33.8,-50.84 v1(33.8,-43.75) ; v1(38.75,-40.05) 50.45,-28.35 v1(50.45,-26.25)
SPI-CS: C13.2 Key3.1 R9.2 T8.6 U3.23 | length 81
  Top Layer w0.5: v1(28.65,-35.9) 34.3,-30.25 v1(38.45,-30.25) 42.55,-30.25 43.75,-31.45 43.75,-31.5 v1(46.75,-34.5) ; C13.2 55.05,-22.673 R9.2 ; v1(56.55,-23.65) 56.173,-23.65 R9.2 ; Key3.1 58.1,-19.623 R9.2
  Bottom Layer w0.5: T8.6 28.565,-35.985 v1(28.65,-35.9) ; v1(38.45,-30.25) 38.45,-22.237 U3.23 ; v1(46.75,-34.5) 56.2,-34.5 58.45,-32.25 58.45,-25.55 v1(56.55,-23.65)
TFT-CS2: T8.7 U3.29 | length 46.6
  Top Layer w0.5: v1(17,-18.4) 18.7,-16.7 29.15,-16.7 29.95,-15.9 v1(29.95,-13.25) v1@29.85,-13.15
  Bottom Layer w0.5: T8.7 21.725,-32.175 22.85,-31.05 22.85,-28.9 16.95,-23 16.95,-18.45 v1(17,-18.4)
TFT-DC: T8.4 U3.26 | length 52.2
  Top Layer w0.5: v1(28.8,-26.5) 28.8,-18.6 v1(30.55,-16.85) ; v1(31.3,-39.65) 35.3,-35.65 v1(35.3,-35.35)
  Bottom Layer w0.5: T8.4 27.345,-43.605 v1(31.3,-39.65) ; v1(28.8,-26.5) 28.8,-28.85 v1(35.3,-35.35)
TFT-PEN: C11.1 Key1.2 R7.2 T8.8 U3.5 | length 83.1
  Top Layer w0.3: R7.2@55.05,-32.9 C11.1
  Top Layer w0.5: v1(20.285,-28.365) 43.065,-28.365 46.75,-32.05 v1(50.55,-32.05) ; v1(54.4,-6.8) 54.4,-9.8 55.925,-11.325 Key1.2 60.95,-14.175 60.95,-27.55 55.6,-32.9 R7.2@55.05,-32.9
  Bottom Layer w0.5: T8.8 v1(20.285,-28.365) ; v1(50.55,-32.05) v1(55.2,-32.05) v1@55.3,-31.95
TFT-RST: FLASH.1 T8.3 U3.25 | length 97.4
  Top Layer w0.4: v1(34.45,-27.3) 34.75,-27.6 44.531,-27.6 52.1,-20.031 52.1,-7.7 52.15,-7.65 52.15,-5.1 52.8,-4.45 56.85,-4.45 58.05,-5.65 FLASH.1
  Top Layer w0.5: v1(33.15,-40.1) 36.4,-36.85 v1(36.45,-36.85)
  Bottom Layer w0.5: T8.3 11.067,-45 28.25,-45 v1(33.15,-40.1) ; U3.25 31.022,-24.172 36.45,-29.6 v1(36.45,-36.85)
TX0: Pr.3 U3.35 | length 14.8
  Bottom Layer w0.7: Pr.3 19.25,-1.77 19.25,-3.9 20.76,-5.41 U3.35
TX2: Pr.5 U3.28 | length 21.2
  Top Layer w0.4: v1(21.15,-10.45) 25,-14.3 v1(28.3,-14.3)
  Bottom Layer w0.4: Pr.5 15.6,-3.2 16.6,-3.2 17.05,-3.65 17.05,-5.6 21.15,-9.7 v1(21.15,-10.45)
VCC: C3.1 C4.2 C5.2 C6.1 cb1.3 D3.2 D4.1 F2.1 OLED.3 Pr.2 R2.2 R7.1 R8.1 R9.1 R12.2 R13.2 T6.1 T7.1 T9.2 T10.3 U3.2 | length 314.8
  Top Layer w0.3: 52.987,-22.6 R9.1
  Top Layer w0.5: OLED.3 16.45,-63.11 25.41,-63.11 26.95,-64.65 26.95,-70.75 F2.1 ; C3.1@20.9,-72.15 23.55,-72.15 F2.1 ; D4.1 F2.1 ; R9.1 53.473,-22.277 55.15,-20.6 55.15,-14.1 53,-11.95 53,-6.75 54.25,-5.5 55.65,-5.5 56.15,-6 56.15,-8.55 57.15,-9.55 59.25,-9.55 60.4,-8.4 60.4,-7 60.65,-6.75 v1(60.65,-6.65) ; v1(61.15,-2.75) 64.05,-2.75 65.15,-3.85 65.15,-6.6 v1(63.9,-7.85)
  Top Layer w0.7: T9.2 7.397,-61.6 4.15,-61.6 3.3,-60.75 3.3,-27.2 11.25,-19.25 11.25,-6.3 12.6,-4.95 v1(13.7,-4.95) ; v1@13.975,-5.225 14.4,-4.8 19.85,-4.8 21.57,-3.08 Pr.2
  Top Layer w1: v1(30.9,-50) 31.05,-50.15 31.05,-50.3 34.3,-53.55 39.05,-53.55 43.1,-49.5 43.1,-45.4 R2.2@53.2,-35.3 ; 52.987,-22.6 51.85,-23.737 51.85,-25.35 52.95,-26.45 51.85,-27.55 51.85,-31.8 53,-32.95 R7.1 53.4,-33 R2.2 R2.2@53.2,-35.3 ; v1(76.55,-24.55) 76.55,-30.3 72.65,-34.2 70.132,-34.2 70.132,-35.568 68.6,-37.1 53.8,-37.1 53.2,-36.5 R2.2@53.2,-35.3
  Bottom Layer w0.3: v1(13.7,-4.95) 13.9,-4.95 v1@14.05,-4.8 ; D3.2 20.75,-72.35 v1(20.9,-72.2) ; U3.2 C4.2@61.15,-2.87 ; C4.2@61.6,-2.87 63.32,-2.87 C5.2
  Bottom Layer w0.5: T9.2 12.748,-56.249 T10.3 ; T9.2@9.305,-60.345 OLED.3 ; v1(60.65,-6.65) 62.7,-6.65 v1(63.9,-7.85) ; C5.2 64.95,-4.5 C6.1
  Bottom Layer w0.7: v1@14.05,-4.8 R13.2@15.1,-4.8
  Bottom Layer w1: T9.2 9.305,-60.345 20.605,-60.345 30.9,-50.05 v1(30.9,-50) ; v1(76.55,-24.55) 76.6,-24.5 79.85,-24.5 80.1,-24.25 T6.1 87.5,-28.6 87.5,-36.7 84.2,-40 T7.1
pads on no net: J1.MH K1.2 K2.2 K3.2 K4.2 K5.2 K6.2 KB1.1 KB1.2 KB1.3 KB2.1 KB2.2 KB2.3 KB3.1 KB3.2 KB3.3 T2. U3.17 U3.18 U3.19 U3.20 U3.21 U3.22 U3.32

## Polygon pours and split planes (outlines as drawn)
GND on Top Layer "T Layer-GNDDD" (solid, remove dead copper, pour order 0): 90,0 0,0 0,-57 0,-58.95 0,-71.45 47.193,-71.45 47.193,-51.2 47.193,-42.794 89.9,-41.05 89.95,-41.1
GND on Bottom Layer "T Layer-GNDDD" (solid, remove dead copper, pour order 4): 16.2,-7.65 16.2,-19.25 0.1,-19.25 0,-19.35 0.1,-19.45 0.1,-81.1 44.85,-81.1 47.9,-78.05 47.8,-77.95 47.8,-56.35 56.55,-47.6 90,-47.6 90,0 16,0

## Keep-outs
Keep-Out Layer:
  lines w0.1: 0,-149.987 90,-149.987 90,0 0,0 0,-149.987

## Silkscreen, mask and mechanical layers (free items; w line width, h text height)
Top Overlay:
  text "TX2" at 14.55,-5.85 h1 r90
  text "RX0" at 16.95,-5.9 h1 r90
  text "3v3" at 21.9,-5.95 h1 r90
  text "RX2" at 12,-6.05 h1 r90
  text "TX0" at 19.65,-6.05 h1 r90
  text "GND" at 24.55,-6.05 h1 r90
  text "+5" at 21.75,-47.65 h1.52
  text "GND" at 21.6,-52.35 h1.52
  text "3v3" at 21.65,-56.65 h1.52
  text "3v3" at 10.85,-60.2 h1
  text "VCC" at 14.85,-63.6 h1 r90
  text "GND" at 12.4,-63.65 h1 r90
  text "O7" at 89.4,-65.05 h1 r90
  text "O6" at 89.6,-70.5 h1 r90
  text "O5" at 89.65,-75.65 h1 r90
  text "O4" at 89.7,-80.6 h1 r90

## Dimensions
0,-149.987 to 90.043,-149.987 on Mechanical 1
0,-149.987 to 0,0 on Mechanical 1

## Text inside footprints (layer, text, board x,y; h text height)
AC: Top Overlay "F" at 89.25,-104.35 h1 r90; Top Overlay "N" at 89.35,-98.9 h1 r90
K1: Top Overlay "NO" at 20.404,-141.23 h1; Top Overlay "NC" at 24.494,-141.23 h1
K2: Top Overlay "NO" at 47.204,-141.23 h1; Top Overlay "NC" at 51.294,-141.23 h1
K3: Top Overlay "NO" at 74.604,-141.23 h1; Top Overlay "NC" at 78.694,-141.23 h1
K4: Top Overlay "NO" at 77.13,-104.746 h1 r90; Top Overlay "NC" at 77.13,-100.656 h1 r90
K5: Top Overlay "NO" at 77.13,-92.096 h1 r90; Top Overlay "NC" at 77.13,-88.006 h1 r90
K6: Top Overlay "COM" at 60.893,-73.044 h1 r270; Top Overlay "NO" at 69.631,-78.276 h1 r270; Top Overlay "NC" at 69.809,-69.437 h1 r270
K7: Top Overlay "COM" at 60.843,-57.644 h1 r270; Top Overlay "NO" at 69.581,-62.876 h1 r270; Top Overlay "NC" at 69.759,-54.037 h1 r270
PWR: Top Overlay "1" at 19.385,-112.812 h1.27 r90; Top Overlay "2" at 19.385,-107.986 h1.27 r90
T6: Top Overlay "+5" at 88.85,-14.65 h1 r90; Top Overlay "Q2" at 88.9,-19.95 h1 r90; Top Overlay "3v3" at 88.95,-25.05 h1 r90
T7: Top Overlay "+12" at 88.95,-29.6 h1 r90; Top Overlay "Q1" at 88.65,-35.3 h1 r90; Top Overlay "3v3" at 89.15,-41.05 h1 r90
T11: Top Overlay "N" at 88.25,-83.9 h1 r270; Top Overlay "4" at 85.29,-78.722 h1 r270; Top Overlay "3" at 85.29,-73.642 h1 r270; Top Overlay "2" at 85.29,-68.562 h1 r270; Top Overlay "1" at 85.29,-63.736 h1 r270
T12: Top Overlay "O1" at 44.65,-142.8 h0.9; Top Overlay "O2" at 49.4,-142.9 h0.9; Top Overlay "O3" at 54.6,-142.8 h0.9; Top Overlay "N" at 60.15,-142.55 h1